# KiCad board rabbit_mask_capacitors_right.kicad_pcb (continued)
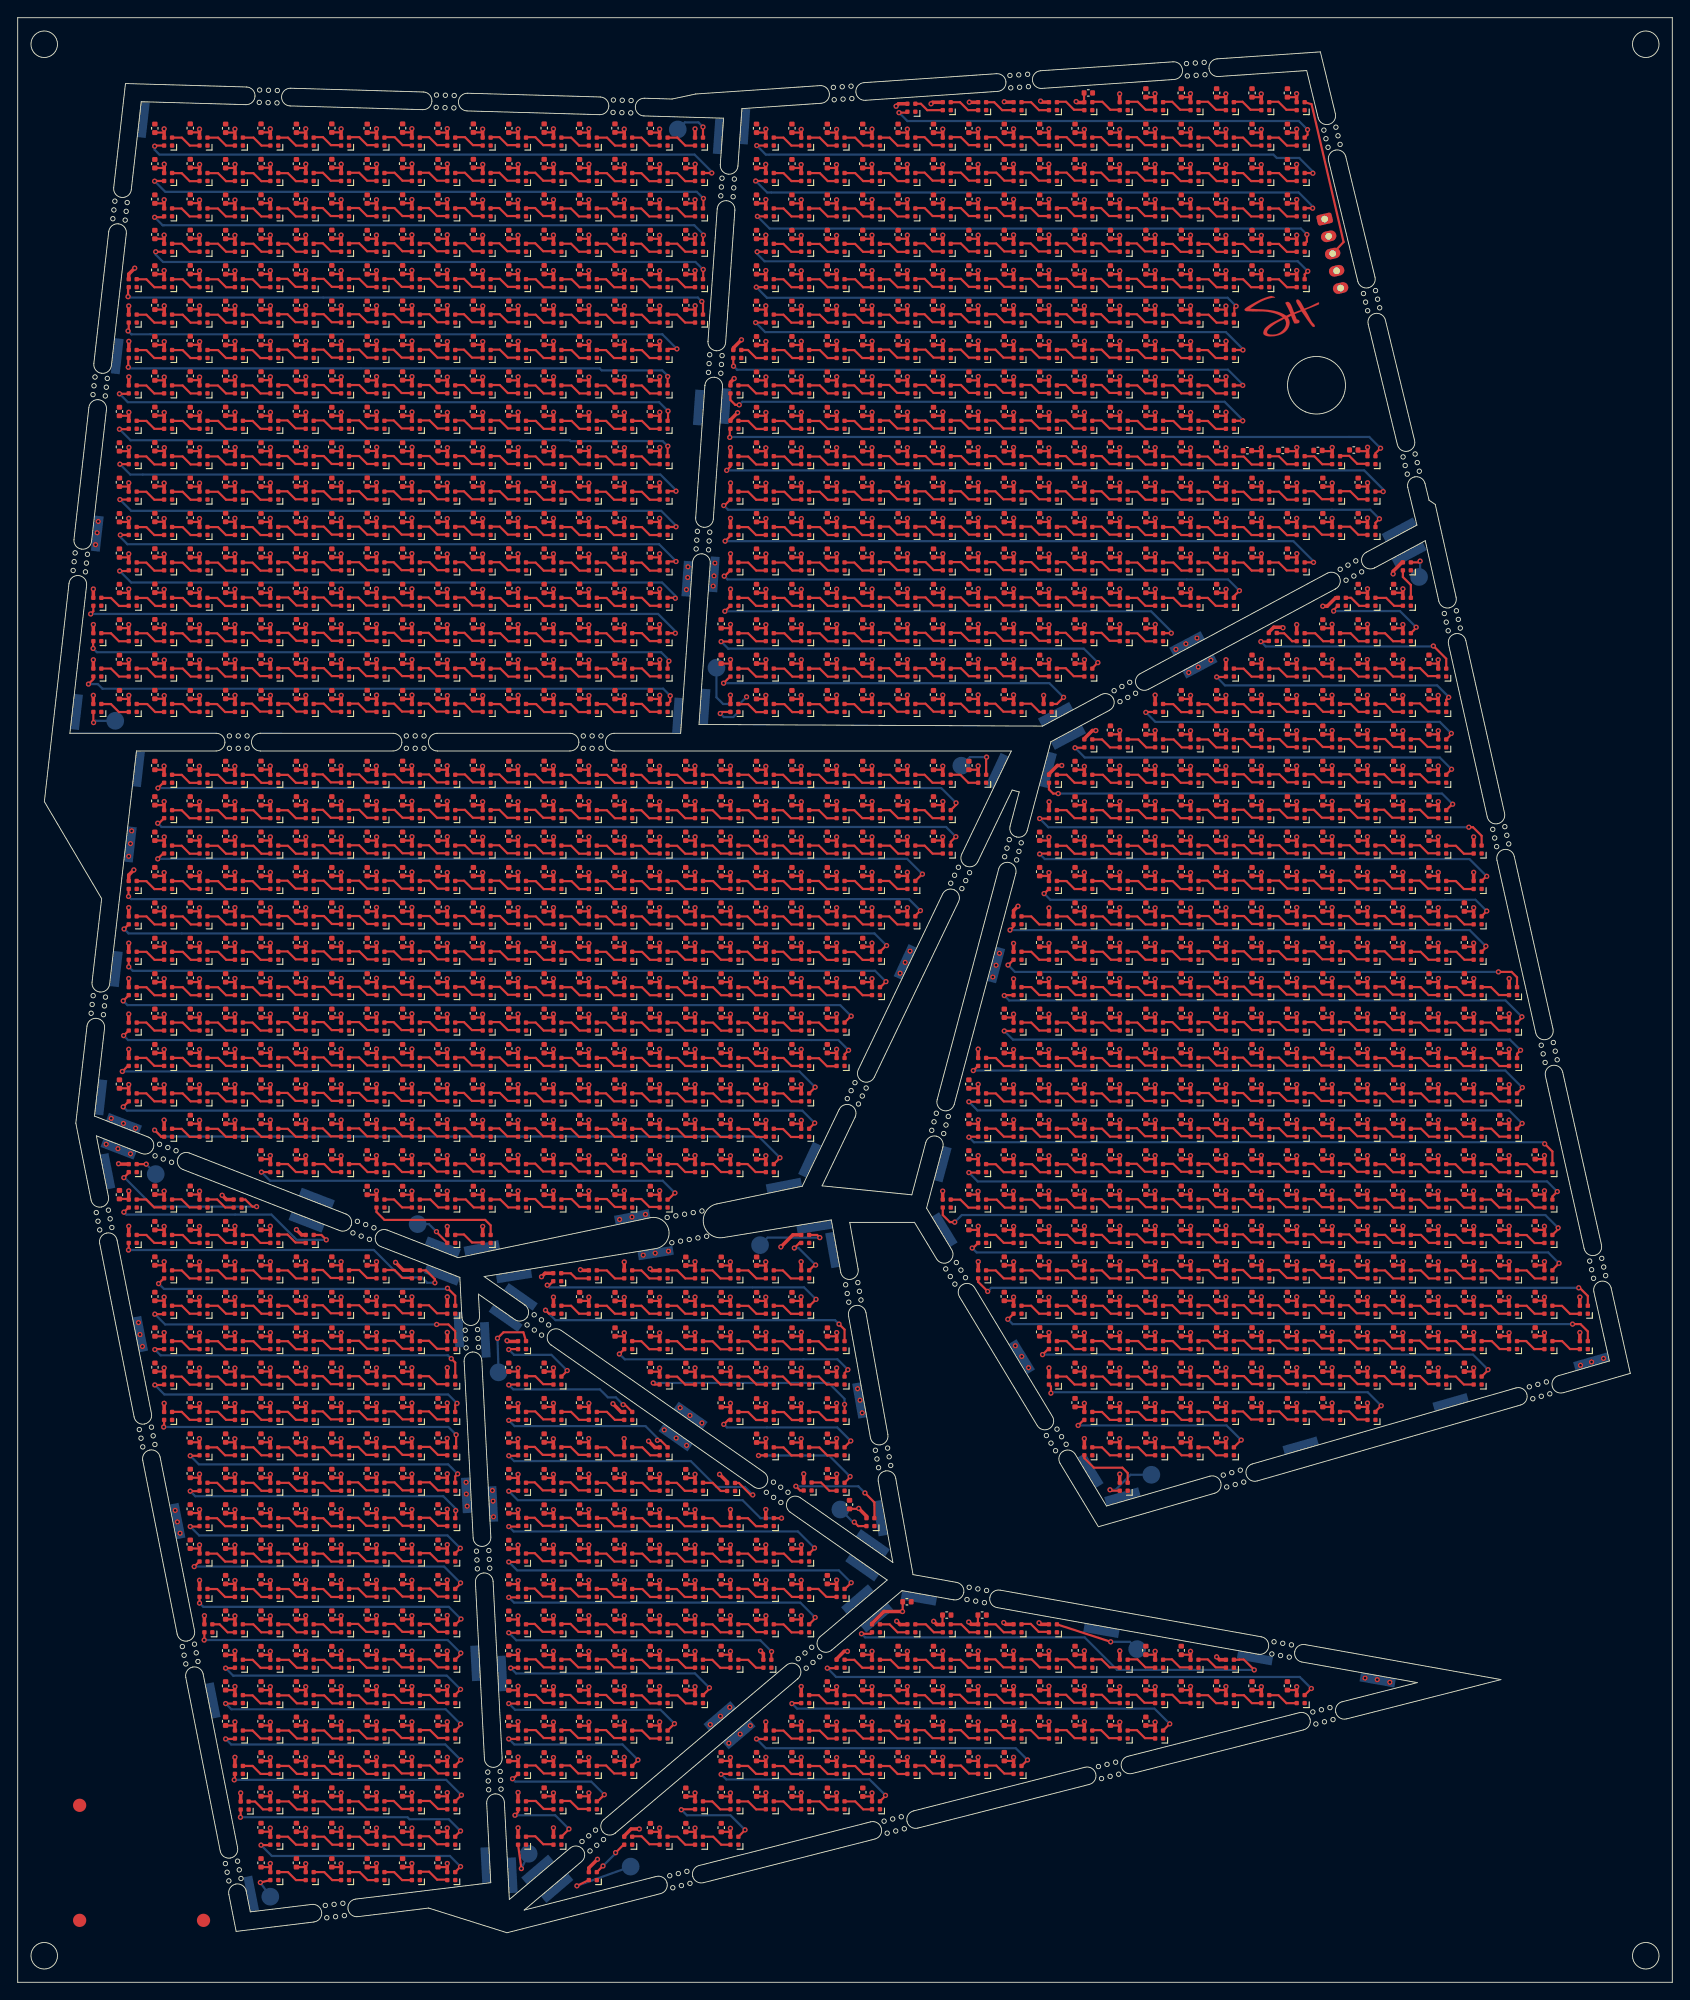
[diagram p0: board, top side]
## Placement (name value [footprint] x y rotation side) (continued)
C1485#1299  0.1uF  [C_0402_1005Metric]  159.5 93.5 90 top
C1485#1300  0.1uF  [C_0402_1005Metric]  99.5 209.5 90 top
C1485#1301  0.1uF  [C_0402_1005Metric]  143.5 129.5 90 top
C1485#1302  0.1uF  [C_0402_1005Metric]  55.5 161.52 90 top
C1485#1303  0.1uF  [C_0402_1005Metric]  51.5 193.52 90 top
C1485#1304  0.1uF  [C_0402_1005Metric]  51.5 157.5 90 top
C1485#1305  0.1uF  [C_0402_1005Metric]  79.5 37.5 90 top
C1485#1306  0.1uF  [C_0402_1005Metric]  35.5 81.5 90 top
C1485#1307  0.1uF  [C_0402_1005Metric]  15.5 125.5 90 top
C1485#1308  0.1uF  [C_0402_1005Metric]  123.5 97.5 90 top
C1485#1309  0.1uF  [C_0402_1005Metric]  131.5 105.5 90 top
C1485#1310  0.1uF  [C_0402_1005Metric]  55.5 169.52 90 top
C1485#1311  0.1uF  [C_0402_1005Metric]  79.5 153.5 90 top
C1485#1312  0.1uF  [C_0402_1005Metric]  87.5 193.5 90 top
C1485#1313  0.1uF  [C_0402_1005Metric]  91.5 125.5 90 top
C1485#1314  0.1uF  [C_0402_1005Metric]  35.5 189.52 90 top
C1485#1315  0.1uF  [C_0402_1005Metric]  27.5 113.5 90 top
C1485#1316  0.1uF  [C_0402_1005Metric]  63.5 41.48 90 top
C1485#1317  0.1uF  [C_0402_1005Metric]  119.5 97.5 90 top
C1485#1318  0.1uF  [C_0402_1005Metric]  115.5 81.5 90 top
C1485#1319  0.1uF  [C_0402_1005Metric]  83.51 69.48 90 top
C1485#1320  0.1uF  [C_0402_1005Metric]  94.01 53.98 90 top
C1485#1321  0.1uF  [C_0402_1005Metric]  19.5 129.5 90 top
C1485#1322  0.1uF  [C_0402_1005Metric]  143.5 197.5 90 top
C1485#1323  0.1uF  [C_0402_1005Metric]  19.5 49.5 90 top
C1485#1324  0.1uF  [C_0402_1005Metric]  63.5 149.52 90 top
C1485#1325  0.1uF  [C_0402_1005Metric]  75.5 205.5 90 top
C1485#1326  0.1uF  [C_0402_1005Metric]  27.5 33.5 90 top
C1485#1327  0.1uF  [C_0402_1005Metric]  39.5 121.5 90 top
C1485#1328  0.1uF  [C_0402_1005Metric]  47.5 57.5 90 top
C1485#1329  0.1uF  [C_0402_1005Metric]  47.5 189.5 90 top
C1485#1330  0.1uF  [C_0402_1005Metric]  147.5 153.5 90 top
C1485#1331  0.1uF  [C_0402_1005Metric]  75.5 93.5 90 top
C1485#1332  0.1uF  [C_0402_1005Metric]  27.51 69.5 90 top
C1485#1333  0.1uF  [C_0402_1005Metric]  123.5 169.5 90 top
C1485#1334  0.1uF  [C_0402_1005Metric]  91.5 25.5 90 top
C1485#1335  0.1uF  [C_0402_1005Metric]  31.5 93.5 90 top
C1485#1336  0.1uF  [C_0402_1005Metric]  23.5 157.52 90 top
C1485#1337  0.1uF  [C_0402_1005Metric]  91.51 73.48 90 top
C1485#1338  0.1uF  [C_0402_1005Metric]  67.5 93.5 90 top
C1485#1339  0.1uF  [C_0402_1005Metric]  171.5 85.5 90 top
C1485#1340  0.1uF  [C_0402_1005Metric]  43.5 77.5 90 top
C1485#1341  0.1uF  [C_0402_1005Metric]  95.5 157.5 90 top
C1485#1342  0.1uF  [C_0402_1005Metric]  51.5 93.5 90 top
C1485#1343  0.1uF  [C_0402_1005Metric]  147.5 73.5 90 top
C1485#1344  0.1uF  [C_0402_1005Metric]  119.5 169.5 90 top
C1485#1345  0.1uF  [C_0402_1005Metric]  47.5 133.5 90 top
C1485#1346  0.1uF  [C_0402_1005Metric]  91.5 145.5 90 top
C1485#1347  0.1uF  [C_0402_1005Metric]  39.5 181.5 90 top
C1485#1348  0.1uF  [C_0402_1005Metric]  55.5 201.5 90 top
C1485#1349  0.1uF  [C_0402_1005Metric]  143.5 93.5 90 top
C1485#1350  0.1uF  [C_0402_1005Metric]  67.5 89.48 90 top
C1485#1351  0.1uF  [C_0402_1005Metric]  146.95 173.1 180 top
C1485#1352  0.1uF  [C_0402_1005Metric]  119.5 193.5 90 top
C1485#1353  0.1uF  [C_0402_1005Metric]  63.5 65.5 90 top
C1485#1354  0.1uF  [C_0402_1005Metric]  27.5 173.5 90 top
C1485#1355  0.1uF  [C_0402_1005Metric]  31.51 97.5 90 top
C1485#1356  0.1uF  [C_0402_1005Metric]  71.5 137.5 90 top
C1485#1357  0.1uF  [C_0402_1005Metric]  51.5 109.5 90 top
C1485#1358  0.1uF  [C_0402_1005Metric]  127.5 73.5 90 top
C1485#1359  0.1uF  [C_0402_1005Metric]  59.5 49.48 90 top
C1485#1360  0.1uF  [C_0402_1005Metric]  95.5 125.5 90 top
C1485#1361  0.1uF  [C_0402_1005Metric]  99.5 29.5 90 top
C1485#1362  0.1uF  [C_0402_1005Metric]  147.5 101.5 90 top
C1485#1363  0.1uF  [C_0402_1005Metric]  55.5 125.5 90 top
C1485#1364  0.1uF  [C_0402_1005Metric]  35.5 129.5 90 top
C1485#1365  0.1uF  [C_0402_1005Metric]  63.5 125.5 90 top
C1485#1366  0.1uF  [C_0402_1005Metric]  87.5 109.5 90 top
C1485#1367  0.1uF  [C_0402_1005Metric]  83.5 105.5 90 top
C1485#1368  0.1uF  [C_0402_1005Metric]  15.5 181.5 90 top
C1485#1369  0.1uF  [C_0402_1005Metric]  99.5 205.5 90 top
C1485#1370  0.1uF  [C_0402_1005Metric]  103.5 173.5 90 top
C1485#1371  0.1uF  [C_0402_1005Metric]  43.5 45.5 90 top
C1485#1372  0.1uF  [C_0402_1005Metric]  19.5 137.52 90 top
C1485#1373  0.1uF  [C_0402_1005Metric]  123.5 153.5 90 top
C1485#1374  0.1uF  [C_0402_1005Metric]  163.5 105.5 90 top
C1485#1375  0.1uF  [C_0402_1005Metric]  107.5 89.5 90 top
C1485#1376  0.1uF  [C_0402_1005Metric]  47.5 209.5 90 top
C1485#1377  0.1uF  [C_0402_1005Metric]  159.5 97.5 90 top
C1485#1378  0.1uF  [C_0402_1005Metric]  103.5 29.5 90 top
C1485#1379  0.1uF  [C_0402_1005Metric]  143.5 137.5 90 top
D1485  SK6812-1515  [LED_SK6812_EC15_1.5x1.5mm]  101 211.82 180 top
D1486  SK6812-1515  [LED_SK6812_EC15_1.5x1.5mm]  105 212 180 top
D1487  SK6812-1515  [LED_SK6812_EC15_1.5x1.5mm]  109 212 180 top
D1488  SK6812-1515  [LED_SK6812_EC15_1.5x1.5mm]  113 212 180 top
D1489  SK6812-1515  [LED_SK6812_EC15_1.5x1.5mm]  117 212 180 top
D1490  SK6812-1515  [LED_SK6812_EC15_1.5x1.5mm]  121 212 180 top
D1491  SK6812-1515  [LED_SK6812_EC15_1.5x1.5mm]  125 212 180 top
D1492  SK6812-1515  [LED_SK6812_EC15_1.5x1.5mm]  129 212 180 top
D1493  SK6812-1515  [LED_SK6812_EC15_1.5x1.5mm]  133 212 180 top
D1494  SK6812-1515  [LED_SK6812_EC15_1.5x1.5mm]  137 212 180 top
D1495  SK6812-1515  [LED_SK6812_EC15_1.5x1.5mm]  141 212 180 top
D1496  SK6812-1515  [LED_SK6812_EC15_1.5x1.5mm]  145 212 180 top
D1497  SK6812-1515  [LED_SK6812_EC15_1.5x1.5mm]  17 208 180 top
D1498  SK6812-1515  [LED_SK6812_EC15_1.5x1.5mm]  21 208 180 top
D1499  SK6812-1515  [LED_SK6812_EC15_1.5x1.5mm]  25 208 180 top
D1500  SK6812-1515  [LED_SK6812_EC15_1.5x1.5mm]  29 208 180 top
D1501  SK6812-1515  [LED_SK6812_EC15_1.5x1.5mm]  33 208 180 top
D1502  SK6812-1515  [LED_SK6812_EC15_1.5x1.5mm]  37 208 180 top
D1503  SK6812-1515  [LED_SK6812_EC15_1.5x1.5mm]  41 208 180 top
D1504  SK6812-1515  [LED_SK6812_EC15_1.5x1.5mm]  45 208 180 top
D1505  SK6812-1515  [LED_SK6812_EC15_1.5x1.5mm]  49 208 180 top
D1506  SK6812-1515  [LED_SK6812_EC15_1.5x1.5mm]  53 208 180 top
D1507  SK6812-1515  [LED_SK6812_EC15_1.5x1.5mm]  57 208 180 top
D1508  SK6812-1515  [LED_SK6812_EC15_1.5x1.5mm]  61 208 180 top
D1509  SK6812-1515  [LED_SK6812_EC15_1.5x1.5mm]  65 208 180 top
D1510  SK6812-1515  [LED_SK6812_EC15_1.5x1.5mm]  69 208 180 top
D1511  SK6812-1515  [LED_SK6812_EC15_1.5x1.5mm]  73 208 180 top
D1512  SK6812-1515  [LED_SK6812_EC15_1.5x1.5mm]  77 208 180 top
D1513  SK6812-1515  [LED_SK6812_EC15_1.5x1.5mm]  85 208 180 top
D1514  SK6812-1515  [LED_SK6812_EC15_1.5x1.5mm]  89 208 180 top
D1515  SK6812-1515  [LED_SK6812_EC15_1.5x1.5mm]  93 208 180 top
D1516  SK6812-1515  [LED_SK6812_EC15_1.5x1.5mm]  97 208 180 top
D1517  SK6812-1515  [LED_SK6812_EC15_1.5x1.5mm]  101 208 180 top
D1518  SK6812-1515  [LED_SK6812_EC15_1.5x1.5mm]  105 208 180 top
D1519  SK6812-1515  [LED_SK6812_EC15_1.5x1.5mm]  109 208 180 top
D1520  SK6812-1515  [LED_SK6812_EC15_1.5x1.5mm]  113 208 180 top
D1521  SK6812-1515  [LED_SK6812_EC15_1.5x1.5mm]  117 208 180 top
D1522  SK6812-1515  [LED_SK6812_EC15_1.5x1.5mm]  121 208 180 top
D1523  SK6812-1515  [LED_SK6812_EC15_1.5x1.5mm]  125 208 180 top
D1524  SK6812-1515  [LED_SK6812_EC15_1.5x1.5mm]  129 208 180 top
D1525  SK6812-1515  [LED_SK6812_EC15_1.5x1.5mm]  133 208 180 top
D1526  SK6812-1515  [LED_SK6812_EC15_1.5x1.5mm]  137 208 180 top
D1527  SK6812-1515  [LED_SK6812_EC15_1.5x1.5mm]  141 208 180 top
D1528  SK6812-1515  [LED_SK6812_EC15_1.5x1.5mm]  145 208 180 top
D1529  SK6812-1515  [LED_SK6812_EC15_1.5x1.5mm]  17 204 180 top
D1530  SK6812-1515  [LED_SK6812_EC15_1.5x1.5mm]  21 204 180 top
D1531  SK6812-1515  [LED_SK6812_EC15_1.5x1.5mm]  25 204 180 top
D1532  SK6812-1515  [LED_SK6812_EC15_1.5x1.5mm]  29 204 180 top
D1533  SK6812-1515  [LED_SK6812_EC15_1.5x1.5mm]  33 204 180 top
D1534  SK6812-1515  [LED_SK6812_EC15_1.5x1.5mm]  37 204 180 top
D1535  SK6812-1515  [LED_SK6812_EC15_1.5x1.5mm]  41 204 180 top
D1536  SK6812-1515  [LED_SK6812_EC15_1.5x1.5mm]  45 204 180 top
D1537  SK6812-1515  [LED_SK6812_EC15_1.5x1.5mm]  49 204 180 top
D1538  SK6812-1515  [LED_SK6812_EC15_1.5x1.5mm]  53 204 180 top
D1539  SK6812-1515  [LED_SK6812_EC15_1.5x1.5mm]  57 204 180 top
D1540  SK6812-1515  [LED_SK6812_EC15_1.5x1.5mm]  61 204 180 top
D1541  SK6812-1515  [LED_SK6812_EC15_1.5x1.5mm]  65 204 180 top
D1542  SK6812-1515  [LED_SK6812_EC15_1.5x1.5mm]  69 204 180 top
D1543  SK6812-1515  [LED_SK6812_EC15_1.5x1.5mm]  73 204 180 top
D1544  SK6812-1515  [LED_SK6812_EC15_1.5x1.5mm]  77 204 180 top
D1545  SK6812-1515  [LED_SK6812_EC15_1.5x1.5mm]  85 204 180 top
D1546  SK6812-1515  [LED_SK6812_EC15_1.5x1.5mm]  89 204 180 top
D1547  SK6812-1515  [LED_SK6812_EC15_1.5x1.5mm]  93 204 180 top
D1548  SK6812-1515  [LED_SK6812_EC15_1.5x1.5mm]  97 204 180 top
D1549  SK6812-1515  [LED_SK6812_EC15_1.5x1.5mm]  101 204 180 top
D1550  SK6812-1515  [LED_SK6812_EC15_1.5x1.5mm]  105 204 180 top
D1551  SK6812-1515  [LED_SK6812_EC15_1.5x1.5mm]  109 204 180 top
D1552  SK6812-1515  [LED_SK6812_EC15_1.5x1.5mm]  113 204 180 top
D1553  SK6812-1515  [LED_SK6812_EC15_1.5x1.5mm]  117 204 180 top
D1554  SK6812-1515  [LED_SK6812_EC15_1.5x1.5mm]  121 204 180 top
D1555  SK6812-1515  [LED_SK6812_EC15_1.5x1.5mm]  125 204 180 top
D1556  SK6812-1515  [LED_SK6812_EC15_1.5x1.5mm]  129 204 180 top
D1557  SK6812-1515  [LED_SK6812_EC15_1.5x1.5mm]  133 204 180 top
D1558  SK6812-1515  [LED_SK6812_EC15_1.5x1.5mm]  137 204 180 top
D1559  SK6812-1515  [LED_SK6812_EC15_1.5x1.5mm]  141 204 180 top
D1560  SK6812-1515  [LED_SK6812_EC15_1.5x1.5mm]  145 204 180 top
D1561  SK6812-1515  [LED_SK6812_EC15_1.5x1.5mm]  17 200 180 top
D1562  SK6812-1515  [LED_SK6812_EC15_1.5x1.5mm]  21 200 180 top
D1563  SK6812-1515  [LED_SK6812_EC15_1.5x1.5mm]  25 200 180 top
D1564  SK6812-1515  [LED_SK6812_EC15_1.5x1.5mm]  29 200 180 top
D1565  SK6812-1515  [LED_SK6812_EC15_1.5x1.5mm]  33 200 180 top
D1566  SK6812-1515  [LED_SK6812_EC15_1.5x1.5mm]  37 200 180 top
D1567  SK6812-1515  [LED_SK6812_EC15_1.5x1.5mm]  41 200 180 top
D1568  SK6812-1515  [LED_SK6812_EC15_1.5x1.5mm]  45 200 180 top
D1569  SK6812-1515  [LED_SK6812_EC15_1.5x1.5mm]  49 200 180 top
D1570  SK6812-1515  [LED_SK6812_EC15_1.5x1.5mm]  53 200 180 top
D1571  SK6812-1515  [LED_SK6812_EC15_1.5x1.5mm]  57 200 180 top
D1572  SK6812-1515  [LED_SK6812_EC15_1.5x1.5mm]  61 200 180 top
D1573  SK6812-1515  [LED_SK6812_EC15_1.5x1.5mm]  65 200 180 top
D1574  SK6812-1515  [LED_SK6812_EC15_1.5x1.5mm]  69 200 180 top
D1575  SK6812-1515  [LED_SK6812_EC15_1.5x1.5mm]  73 200 180 top
D1576  SK6812-1515  [LED_SK6812_EC15_1.5x1.5mm]  77 200 180 top
D1577  SK6812-1515  [LED_SK6812_EC15_1.5x1.5mm]  85 200 180 top
D1578  SK6812-1515  [LED_SK6812_EC15_1.5x1.5mm]  89 200 180 top
D1579  SK6812-1515  [LED_SK6812_EC15_1.5x1.5mm]  93 200 180 top
D1580  SK6812-1515  [LED_SK6812_EC15_1.5x1.5mm]  97 200 180 top
D1581  SK6812-1515  [LED_SK6812_EC15_1.5x1.5mm]  101 200 180 top
D1582  SK6812-1515  [LED_SK6812_EC15_1.5x1.5mm]  105 200 180 top
D1583  SK6812-1515  [LED_SK6812_EC15_1.5x1.5mm]  109 200 180 top
D1584  SK6812-1515  [LED_SK6812_EC15_1.5x1.5mm]  113 200 180 top
D1585  SK6812-1515  [LED_SK6812_EC15_1.5x1.5mm]  117 200 180 top
D1586  SK6812-1515  [LED_SK6812_EC15_1.5x1.5mm]  121 200 180 top
D1587  SK6812-1515  [LED_SK6812_EC15_1.5x1.5mm]  125 200 180 top
D1588  SK6812-1515  [LED_SK6812_EC15_1.5x1.5mm]  129 200 180 top
D1589  SK6812-1515  [LED_SK6812_EC15_1.5x1.5mm]  133 200 180 top
D1590  SK6812-1515  [LED_SK6812_EC15_1.5x1.5mm]  137 200 180 top
D1591  SK6812-1515  [LED_SK6812_EC15_1.5x1.5mm]  141 200 180 top
D1592  SK6812-1515  [LED_SK6812_EC15_1.5x1.5mm]  145 200 180 top
D1593  SK6812-1515  [LED_SK6812_EC15_1.5x1.5mm]  17 196 180 top
D1594  SK6812-1515  [LED_SK6812_EC15_1.5x1.5mm]  21 196 180 top
D1595  SK6812-1515  [LED_SK6812_EC15_1.5x1.5mm]  25 196 180 top
D1596  SK6812-1515  [LED_SK6812_EC15_1.5x1.5mm]  29 196 180 top
D1597  SK6812-1515  [LED_SK6812_EC15_1.5x1.5mm]  33 196 180 top
D1598  SK6812-1515  [LED_SK6812_EC15_1.5x1.5mm]  37 196 180 top
D1599  SK6812-1515  [LED_SK6812_EC15_1.5x1.5mm]  41 196 180 top
D1600  SK6812-1515  [LED_SK6812_EC15_1.5x1.5mm]  45 196 180 top
D1601  SK6812-1515  [LED_SK6812_EC15_1.5x1.5mm]  49 196 180 top
D1602  SK6812-1515  [LED_SK6812_EC15_1.5x1.5mm]  53 196 180 top
D1603  SK6812-1515  [LED_SK6812_EC15_1.5x1.5mm]  57 196 180 top
D1604  SK6812-1515  [LED_SK6812_EC15_1.5x1.5mm]  61 196 180 top
D1605  SK6812-1515  [LED_SK6812_EC15_1.5x1.5mm]  65 196 180 top
D1606  SK6812-1515  [LED_SK6812_EC15_1.5x1.5mm]  69 196 180 top
D1607  SK6812-1515  [LED_SK6812_EC15_1.5x1.5mm]  73 196 180 top
D1608  SK6812-1515  [LED_SK6812_EC15_1.5x1.5mm]  77 196 180 top
D1609  SK6812-1515  [LED_SK6812_EC15_1.5x1.5mm]  85 196 180 top
D1610  SK6812-1515  [LED_SK6812_EC15_1.5x1.5mm]  89 196 180 top
D1611  SK6812-1515  [LED_SK6812_EC15_1.5x1.5mm]  93 196 180 top
D1612  SK6812-1515  [LED_SK6812_EC15_1.5x1.5mm]  97 196 180 top
D1613  SK6812-1515  [LED_SK6812_EC15_1.5x1.5mm]  101 196 180 top
D1614  SK6812-1515  [LED_SK6812_EC15_1.5x1.5mm]  105 196 180 top
D1615  SK6812-1515  [LED_SK6812_EC15_1.5x1.5mm]  109 196 180 top
D1616  SK6812-1515  [LED_SK6812_EC15_1.5x1.5mm]  113 196 180 top
D1617  SK6812-1515  [LED_SK6812_EC15_1.5x1.5mm]  117 196 180 top
D1618  SK6812-1515  [LED_SK6812_EC15_1.5x1.5mm]  121 196 180 top
D1619  SK6812-1515  [LED_SK6812_EC15_1.5x1.5mm]  125 196 180 top
D1620  SK6812-1515  [LED_SK6812_EC15_1.5x1.5mm]  129 196 180 top
D1621  SK6812-1515  [LED_SK6812_EC15_1.5x1.5mm]  133 196 180 top
D1622  SK6812-1515  [LED_SK6812_EC15_1.5x1.5mm]  137 196 180 top
D1623  SK6812-1515  [LED_SK6812_EC15_1.5x1.5mm]  141 196 180 top
D1624  SK6812-1515  [LED_SK6812_EC15_1.5x1.5mm]  145 196 180 top
D1625  SK6812-1515  [LED_SK6812_EC15_1.5x1.5mm]  81 144 180 bottom
D1626  SK6812-1515  [LED_SK6812_EC15_1.5x1.5mm]  13 192 180 top
D1627  SK6812-1515  [LED_SK6812_EC15_1.5x1.5mm]  17 192 180 top
D1628  SK6812-1515  [LED_SK6812_EC15_1.5x1.5mm]  21 192 180 top
D1629  SK6812-1515  [LED_SK6812_EC15_1.5x1.5mm]  25 192 180 top
D1630  SK6812-1515  [LED_SK6812_EC15_1.5x1.5mm]  29 192 180 top
D1631  SK6812-1515  [LED_SK6812_EC15_1.5x1.5mm]  33 192 180 top
D1632  SK6812-1515  [LED_SK6812_EC15_1.5x1.5mm]  37 192 180 top
D1633  SK6812-1515  [LED_SK6812_EC15_1.5x1.5mm]  41 192 180 top
D1634  SK6812-1515  [LED_SK6812_EC15_1.5x1.5mm]  45 192 180 top
D1635  SK6812-1515  [LED_SK6812_EC15_1.5x1.5mm]  49 192 180 top
D1636  SK6812-1515  [LED_SK6812_EC15_1.5x1.5mm]  53 192 180 top
D1637  SK6812-1515  [LED_SK6812_EC15_1.5x1.5mm]  57 192 180 top
D1638  SK6812-1515  [LED_SK6812_EC15_1.5x1.5mm]  61 192 180 top
D1639  SK6812-1515  [LED_SK6812_EC15_1.5x1.5mm]  65 192 180 top
D1640  SK6812-1515  [LED_SK6812_EC15_1.5x1.5mm]  69 192 180 top
D1641  SK6812-1515  [LED_SK6812_EC15_1.5x1.5mm]  73 192 180 top
D1642  SK6812-1515  [LED_SK6812_EC15_1.5x1.5mm]  77 192 180 top
D1643  SK6812-1515  [LED_SK6812_EC15_1.5x1.5mm]  85 192 180 top
D1644  SK6812-1515  [LED_SK6812_EC15_1.5x1.5mm]  89 192 180 top
D1645  SK6812-1515  [LED_SK6812_EC15_1.5x1.5mm]  93 192 180 top
D1646  SK6812-1515  [LED_SK6812_EC15_1.5x1.5mm]  97 192 180 top
D1647  SK6812-1515  [LED_SK6812_EC15_1.5x1.5mm]  101 192 180 top
D1648  SK6812-1515  [LED_SK6812_EC15_1.5x1.5mm]  105 192 180 top
D1649  SK6812-1515  [LED_SK6812_EC15_1.5x1.5mm]  109 192 180 top
D1650  SK6812-1515  [LED_SK6812_EC15_1.5x1.5mm]  113 192 180 top
D1651  SK6812-1515  [LED_SK6812_EC15_1.5x1.5mm]  117 192 180 top
D1652  SK6812-1515  [LED_SK6812_EC15_1.5x1.5mm]  121 192 180 top
D1653  SK6812-1515  [LED_SK6812_EC15_1.5x1.5mm]  125 192 180 top
D1654  SK6812-1515  [LED_SK6812_EC15_1.5x1.5mm]  129 192 180 top
D1655  SK6812-1515  [LED_SK6812_EC15_1.5x1.5mm]  133 192 180 top
D1656  SK6812-1515  [LED_SK6812_EC15_1.5x1.5mm]  137 192 180 top
D1657  SK6812-1515  [LED_SK6812_EC15_1.5x1.5mm]  141 192 180 top
D1658  SK6812-1515  [LED_SK6812_EC15_1.5x1.5mm]  145 192 180 top
D1660  SK6812-1515  [LED_SK6812_EC15_1.5x1.5mm]  13 188 180 top
D1661  SK6812-1515  [LED_SK6812_EC15_1.5x1.5mm]  17 188 180 top
D1662  SK6812-1515  [LED_SK6812_EC15_1.5x1.5mm]  21 188 180 top
D1663  SK6812-1515  [LED_SK6812_EC15_1.5x1.5mm]  25 188 180 top
D1664  SK6812-1515  [LED_SK6812_EC15_1.5x1.5mm]  29 188 180 top
D1665  SK6812-1515  [LED_SK6812_EC15_1.5x1.5mm]  33 188 180 top
D1666  SK6812-1515  [LED_SK6812_EC15_1.5x1.5mm]  37 188 180 top
D1667  SK6812-1515  [LED_SK6812_EC15_1.5x1.5mm]  41 188 180 top
D1668  SK6812-1515  [LED_SK6812_EC15_1.5x1.5mm]  45 188 180 top
D1669  SK6812-1515  [LED_SK6812_EC15_1.5x1.5mm]  49 188 180 top
D1670  SK6812-1515  [LED_SK6812_EC15_1.5x1.5mm]  53 188 180 top
D1671  SK6812-1515  [LED_SK6812_EC15_1.5x1.5mm]  57 188 180 top
D1672  SK6812-1515  [LED_SK6812_EC15_1.5x1.5mm]  61 188 180 top
D1673  SK6812-1515  [LED_SK6812_EC15_1.5x1.5mm]  65 188 180 top
D1674  SK6812-1515  [LED_SK6812_EC15_1.5x1.5mm]  69 188 180 top
D1675  SK6812-1515  [LED_SK6812_EC15_1.5x1.5mm]  73 188 180 top
D1676  SK6812-1515  [LED_SK6812_EC15_1.5x1.5mm]  77 188 180 top
D1677  SK6812-1515  [LED_SK6812_EC15_1.5x1.5mm]  85 188 180 top
D1678  SK6812-1515  [LED_SK6812_EC15_1.5x1.5mm]  89 188 180 top
D1679  SK6812-1515  [LED_SK6812_EC15_1.5x1.5mm]  93 188 180 top
D1680  SK6812-1515  [LED_SK6812_EC15_1.5x1.5mm]  97 188 180 top
D1681  SK6812-1515  [LED_SK6812_EC15_1.5x1.5mm]  101 188 180 top
D1682  SK6812-1515  [LED_SK6812_EC15_1.5x1.5mm]  105 188 180 top
D1683  SK6812-1515  [LED_SK6812_EC15_1.5x1.5mm]  109 188 180 top
D1684  SK6812-1515  [LED_SK6812_EC15_1.5x1.5mm]  113 188 180 top
D1685  SK6812-1515  [LED_SK6812_EC15_1.5x1.5mm]  117 188 180 top
D1686  SK6812-1515  [LED_SK6812_EC15_1.5x1.5mm]  121 188 180 top
D1687  SK6812-1515  [LED_SK6812_EC15_1.5x1.5mm]  125 188 180 top
D1688  SK6812-1515  [LED_SK6812_EC15_1.5x1.5mm]  129 188 180 top
D1689  SK6812-1515  [LED_SK6812_EC15_1.5x1.5mm]  133 188 180 top
D1690  SK6812-1515  [LED_SK6812_EC15_1.5x1.5mm]  137 188 180 top
D1694  SK6812-1515  [LED_SK6812_EC15_1.5x1.5mm]  13 184 180 top
D1695  SK6812-1515  [LED_SK6812_EC15_1.5x1.5mm]  17 184 180 top
D1696  SK6812-1515  [LED_SK6812_EC15_1.5x1.5mm]  21 184 180 top
D1697  SK6812-1515  [LED_SK6812_EC15_1.5x1.5mm]  25 184 180 top
D1698  SK6812-1515  [LED_SK6812_EC15_1.5x1.5mm]  29 184 180 top
D1699  SK6812-1515  [LED_SK6812_EC15_1.5x1.5mm]  33 184 180 top
D1700  SK6812-1515  [LED_SK6812_EC15_1.5x1.5mm]  37 184 180 top
D1701  SK6812-1515  [LED_SK6812_EC15_1.5x1.5mm]  41 184 180 top
D1702  SK6812-1515  [LED_SK6812_EC15_1.5x1.5mm]  45 184 180 top
D1703  SK6812-1515  [LED_SK6812_EC15_1.5x1.5mm]  49 184 180 top
D1704  SK6812-1515  [LED_SK6812_EC15_1.5x1.5mm]  53 184 180 top
D1705  SK6812-1515  [LED_SK6812_EC15_1.5x1.5mm]  57 184 180 top
D1706  SK6812-1515  [LED_SK6812_EC15_1.5x1.5mm]  61 184 180 top
D1707  SK6812-1515  [LED_SK6812_EC15_1.5x1.5mm]  65 184 180 top
D1708  SK6812-1515  [LED_SK6812_EC15_1.5x1.5mm]  69 184 180 top
D1709  SK6812-1515  [LED_SK6812_EC15_1.5x1.5mm]  73 184 180 top
D1710  SK6812-1515  [LED_SK6812_EC15_1.5x1.5mm]  81.32 184 180 top
D1711  SK6812-1515  [LED_SK6812_EC15_1.5x1.5mm]  85 184 180 top
D1712  SK6812-1515  [LED_SK6812_EC15_1.5x1.5mm]  89 184 180 top
D1713  SK6812-1515  [LED_SK6812_EC15_1.5x1.5mm]  93 184 180 top
D1714  SK6812-1515  [LED_SK6812_EC15_1.5x1.5mm]  97 184 180 top
D1715  SK6812-1515  [LED_SK6812_EC15_1.5x1.5mm]  101 184 180 top
D1716  SK6812-1515  [LED_SK6812_EC15_1.5x1.5mm]  105 184 180 top
D1717  SK6812-1515  [LED_SK6812_EC15_1.5x1.5mm]  109 184 180 top
D1718  SK6812-1515  [LED_SK6812_EC15_1.5x1.5mm]  113 184 180 top
D1719  SK6812-1515  [LED_SK6812_EC15_1.5x1.5mm]  117 184 180 top
D1720  SK6812-1515  [LED_SK6812_EC15_1.5x1.5mm]  121 184 180 top
D1721  SK6812-1515  [LED_SK6812_EC15_1.5x1.5mm]  125 184 180 top
D1722  SK6812-1515  [LED_SK6812_EC15_1.5x1.5mm]  129 184 180 top
D1723  SK6812-1515  [LED_SK6812_EC15_1.5x1.5mm]  133 184 180 top
D1724  SK6812-1515  [LED_SK6812_EC15_1.5x1.5mm]  137 184 180 top
D1725  SK6812-1515  [LED_SK6812_EC15_1.5x1.5mm]  13 180 180 top
D1726  SK6812-1515  [LED_SK6812_EC15_1.5x1.5mm]  17 180 180 top
D1727  SK6812-1515  [LED_SK6812_EC15_1.5x1.5mm]  21 180 180 top
D1728  SK6812-1515  [LED_SK6812_EC15_1.5x1.5mm]  25 180 180 top
D1729  SK6812-1515  [LED_SK6812_EC15_1.5x1.5mm]  29 180 180 top
D1730  SK6812-1515  [LED_SK6812_EC15_1.5x1.5mm]  33 180 180 top
D1731  SK6812-1515  [LED_SK6812_EC15_1.5x1.5mm]  37 180 180 top
D1732  SK6812-1515  [LED_SK6812_EC15_1.5x1.5mm]  41 180 180 top
D1733  SK6812-1515  [LED_SK6812_EC15_1.5x1.5mm]  45 180 180 top
D1734  SK6812-1515  [LED_SK6812_EC15_1.5x1.5mm]  49 180 180 top
D1735  SK6812-1515  [LED_SK6812_EC15_1.5x1.5mm]  53 180 180 top
D1736  SK6812-1515  [LED_SK6812_EC15_1.5x1.5mm]  57 180 180 top
D1737  SK6812-1515  [LED_SK6812_EC15_1.5x1.5mm]  61 180 180 top
D1738  SK6812-1515  [LED_SK6812_EC15_1.5x1.5mm]  65 180 180 top
D1739  SK6812-1515  [LED_SK6812_EC15_1.5x1.5mm]  69 180 180 top
D1740  SK6812-1515  [LED_SK6812_EC15_1.5x1.5mm]  73 180 180 top
D1741  SK6812-1515  [LED_SK6812_EC15_1.5x1.5mm]  81 180 180 top
D1742  SK6812-1515  [LED_SK6812_EC15_1.5x1.5mm]  85 180 180 top
D1743  SK6812-1515  [LED_SK6812_EC15_1.5x1.5mm]  89 180 180 top
D1744  SK6812-1515  [LED_SK6812_EC15_1.5x1.5mm]  93 180 180 top
D1745  SK6812-1515  [LED_SK6812_EC15_1.5x1.5mm]  97 180 180 top
D1746  SK6812-1515  [LED_SK6812_EC15_1.5x1.5mm]  101 180 180 top
D1747  SK6812-1515  [LED_SK6812_EC15_1.5x1.5mm]  105 180 180 top
D1748  SK6812-1515  [LED_SK6812_EC15_1.5x1.5mm]  109 180 180 top
D1749  SK6812-1515  [LED_SK6812_EC15_1.5x1.5mm]  113 180 180 top
D1750  SK6812-1515  [LED_SK6812_EC15_1.5x1.5mm]  117 180 180 top
D1751  SK6812-1515  [LED_SK6812_EC15_1.5x1.5mm]  121 180 180 top
D1752  SK6812-1515  [LED_SK6812_EC15_1.5x1.5mm]  125 180 180 top
D1753  SK6812-1515  [LED_SK6812_EC15_1.5x1.5mm]  129 180 180 top
D1754  SK6812-1515  [LED_SK6812_EC15_1.5x1.5mm]  133 180 180 top
D1755  SK6812-1515  [LED_SK6812_EC15_1.5x1.5mm]  137 180 180 top
D1756  SK6812-1515  [LED_SK6812_EC15_1.5x1.5mm]  13 176 180 top
D1757  SK6812-1515  [LED_SK6812_EC15_1.5x1.5mm]  17 176 180 top
D1758  SK6812-1515  [LED_SK6812_EC15_1.5x1.5mm]  21 176 180 top
D1759  SK6812-1515  [LED_SK6812_EC15_1.5x1.5mm]  25 176 180 top
D1760  SK6812-1515  [LED_SK6812_EC15_1.5x1.5mm]  29 176 180 top
D1761  SK6812-1515  [LED_SK6812_EC15_1.5x1.5mm]  33 176 180 top
D1762  SK6812-1515  [LED_SK6812_EC15_1.5x1.5mm]  37 176 180 top
D1763  SK6812-1515  [LED_SK6812_EC15_1.5x1.5mm]  41 176 180 top
D1764  SK6812-1515  [LED_SK6812_EC15_1.5x1.5mm]  45 176 180 top
D1765  SK6812-1515  [LED_SK6812_EC15_1.5x1.5mm]  49 176 180 top
D1766  SK6812-1515  [LED_SK6812_EC15_1.5x1.5mm]  53 176 180 top
D1767  SK6812-1515  [LED_SK6812_EC15_1.5x1.5mm]  57 176 180 top
D1768  SK6812-1515  [LED_SK6812_EC15_1.5x1.5mm]  61 176 180 top
D1769  SK6812-1515  [LED_SK6812_EC15_1.5x1.5mm]  65 176 180 top
D1770  SK6812-1515  [LED_SK6812_EC15_1.5x1.5mm]  69 176 180 top
D1771  SK6812-1515  [LED_SK6812_EC15_1.5x1.5mm]  73 176 180 top
D1772  SK6812-1515  [LED_SK6812_EC15_1.5x1.5mm]  81 176 180 top
D1773  SK6812-1515  [LED_SK6812_EC15_1.5x1.5mm]  85 176 180 top
D1774  SK6812-1515  [LED_SK6812_EC15_1.5x1.5mm]  89 176 180 top
D1775  SK6812-1515  [LED_SK6812_EC15_1.5x1.5mm]  93 176 180 top
D1776  SK6812-1515  [LED_SK6812_EC15_1.5x1.5mm]  97 176 180 top
D1777  SK6812-1515  [LED_SK6812_EC15_1.5x1.5mm]  101 176 180 top
D1778  SK6812-1515  [LED_SK6812_EC15_1.5x1.5mm]  105 176 180 top
D1779  SK6812-1515  [LED_SK6812_EC15_1.5x1.5mm]  109 176 180 top
D1780  SK6812-1515  [LED_SK6812_EC15_1.5x1.5mm]  113 176 180 top
D1781  SK6812-1515  [LED_SK6812_EC15_1.5x1.5mm]  117 176 180 top
D1782  SK6812-1515  [LED_SK6812_EC15_1.5x1.5mm]  121 176 180 top
D1783  SK6812-1515  [LED_SK6812_EC15_1.5x1.5mm]  125 176 180 top
D1784  SK6812-1515  [LED_SK6812_EC15_1.5x1.5mm]  129 176 180 top
D1785  SK6812-1515  [LED_SK6812_EC15_1.5x1.5mm]  133 176 180 top
D1786  SK6812-1515  [LED_SK6812_EC15_1.5x1.5mm]  137 176 180 top
D1787  SK6812-1515  [LED_SK6812_EC15_1.5x1.5mm]  13 172 180 top
D1788  SK6812-1515  [LED_SK6812_EC15_1.5x1.5mm]  17 172 180 top
D1789  SK6812-1515  [LED_SK6812_EC15_1.5x1.5mm]  21 172 180 top
D1790  SK6812-1515  [LED_SK6812_EC15_1.5x1.5mm]  25 172 180 top
D1791  SK6812-1515  [LED_SK6812_EC15_1.5x1.5mm]  29 172 180 top
D1792  SK6812-1515  [LED_SK6812_EC15_1.5x1.5mm]  33 172 180 top
D1793  SK6812-1515  [LED_SK6812_EC15_1.5x1.5mm]  37 172 180 top
D1794  SK6812-1515  [LED_SK6812_EC15_1.5x1.5mm]  41 172 180 top
D1795  SK6812-1515  [LED_SK6812_EC15_1.5x1.5mm]  45 172 180 top
D1796  SK6812-1515  [LED_SK6812_EC15_1.5x1.5mm]  49 172 180 top
D1797  SK6812-1515  [LED_SK6812_EC15_1.5x1.5mm]  53 172 180 top
D1798  SK6812-1515  [LED_SK6812_EC15_1.5x1.5mm]  57 172 180 top
D1799  SK6812-1515  [LED_SK6812_EC15_1.5x1.5mm]  61 172 180 top
D1800  SK6812-1515  [LED_SK6812_EC15_1.5x1.5mm]  65 172 180 top
D1801  SK6812-1515  [LED_SK6812_EC15_1.5x1.5mm]  69 172 180 top
D1802  SK6812-1515  [LED_SK6812_EC15_1.5x1.5mm]  73 172 180 top
